# Altium PCB PCB_Organo_Prueba_V3.PcbDoc (part 2 of 2)
Units mil, origin at the board's own origin, x right, y up, seen from the top; angles counter-clockwise.
Board outline 5014.03 x 3533.9 mil, 2 copper layers (Top Layer, Bottom Layer); 91 components, 109 nets, 411 pads, 125 vias.
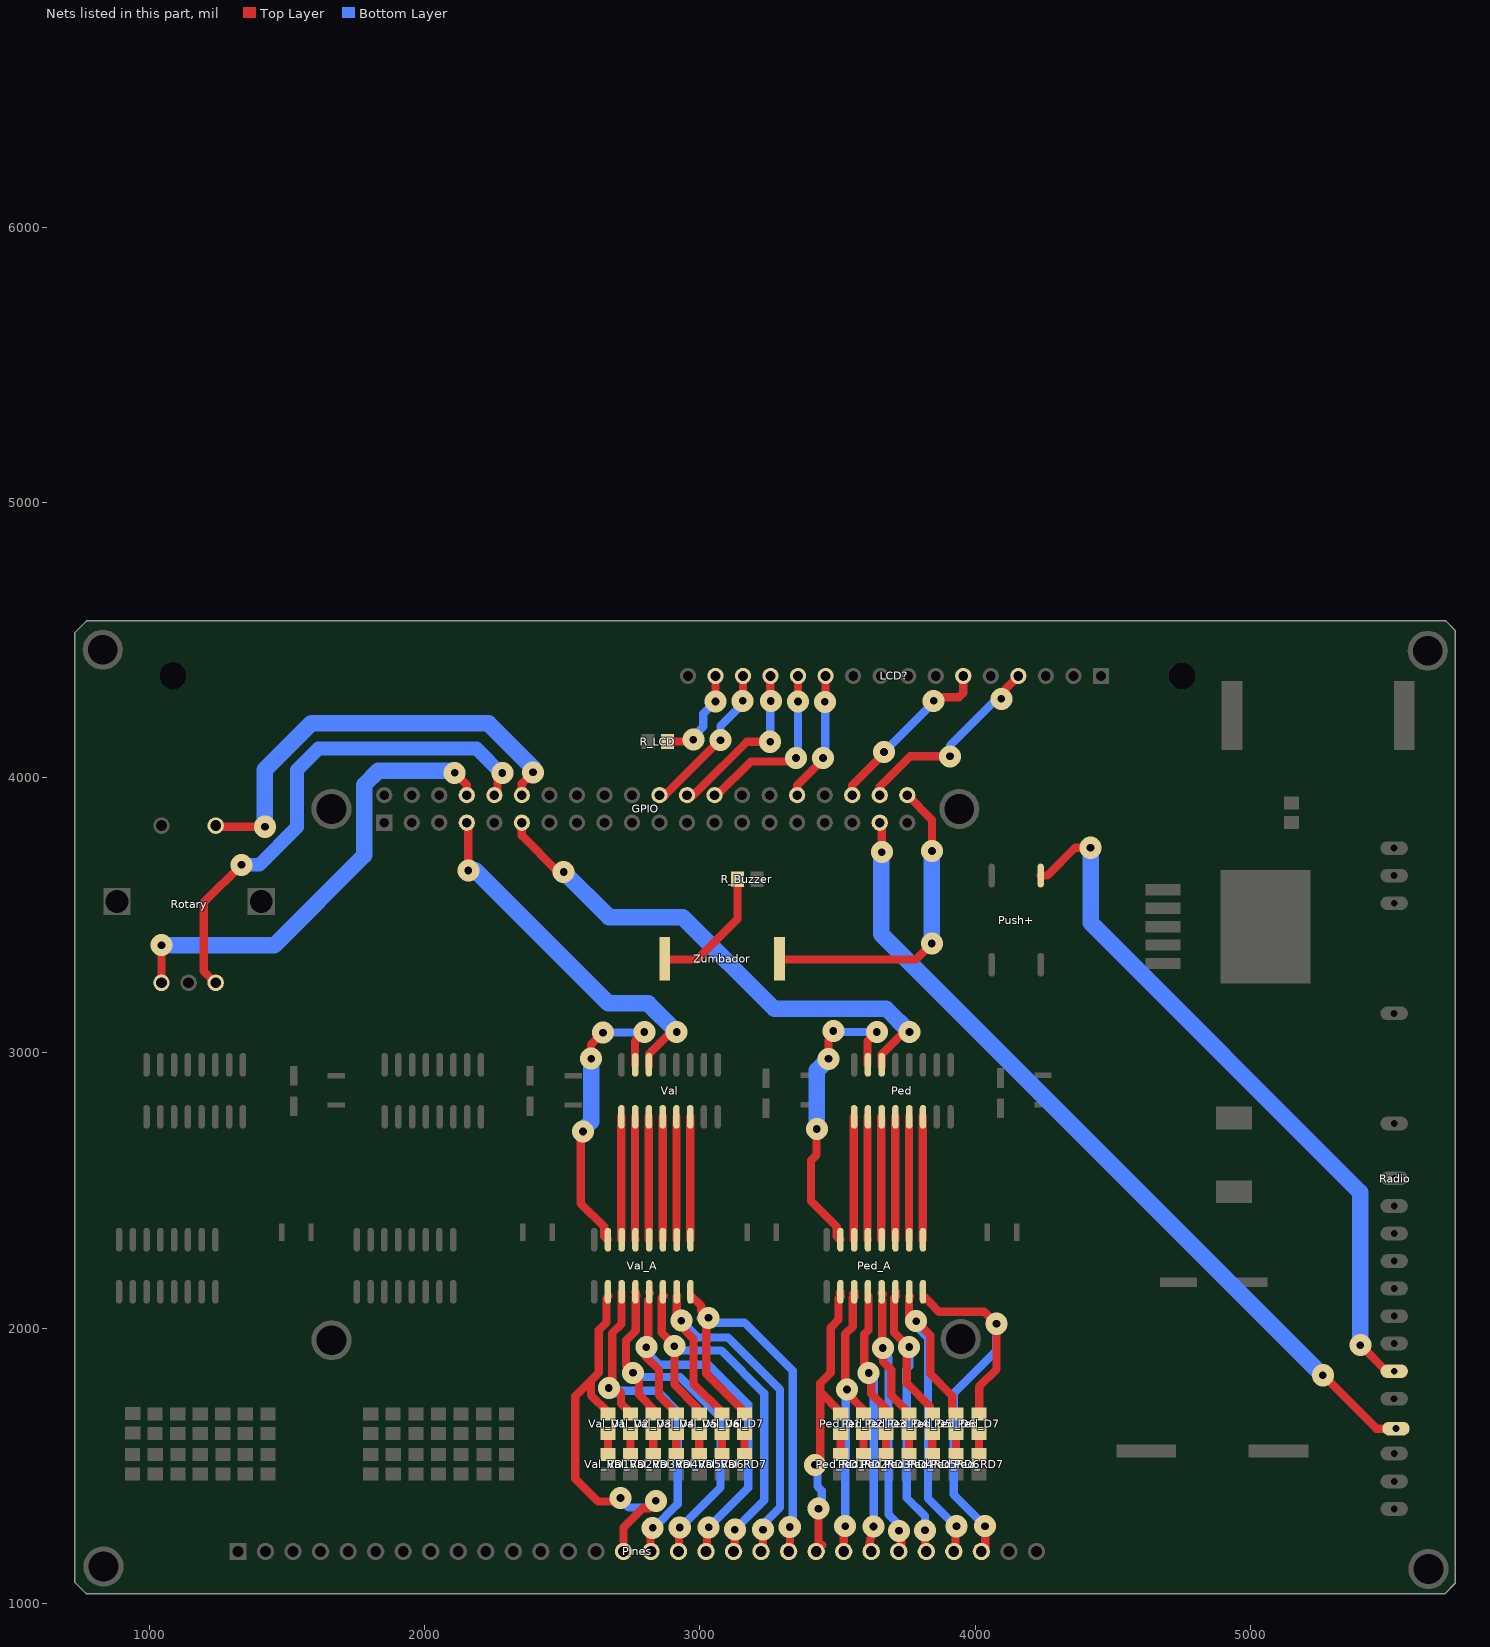
[diagram p2: the nets of this part, all layers, seen from the top]

## Via types
v1: diameter 80, hole 28, Top Layer to Bottom Layer, 125 vias

## Nets (pads, with @x,y where several pads share a name; then routed paths per layer and width w, separated by ;. In a path a pad name is that pad's centre, name@x,y a point inside that pad or via, vN(x,y) a via of type N, cw(c..) or ccw(c..) an arc to the next point about the centre after c; other vN are vias at no path point) (continued)
NetGPIO_7: GPIO.7 Val.14 | length 1354.4
  Top Layer w30: GPIO.7@2153,3836.5 2158.5,3831 v1(2158.5,3663) ; Val.14@2815,2951.5 2815,2996.5 2894.5,3076 v1(2915.5,3076)
  Bottom Layer w60: v1(2158.5,3663) 2184.5,3663 2667.5,3180 2811.5,3180 v1(2915.5,3076)
NetGPIO_8: GPIO.8 Rotary.A | length 1713.3
  Top Layer w30: Rotary.A@1044,3255 v1(1044,3391.5) ; v1(2109,4017.5) 2153,3973.5 GPIO.8@2153,3936.5
  Bottom Layer w60: v1(1044,3391.5) 1454,3391.5 1780.5,3718 1780.5,3974 1832,4025.5 v1@2109,4025.5
NetGPIO_10: GPIO.10 Rotary.B | length 1885.4
  Top Layer w30: Rotary.B@1240.85,3255 1197.5,3298.35 1197.5,3546 v1(1335,3683.5) ; GPIO.10@2253,3936.5 2264.5,3948 2264.5,4026 2263,4027.5 v1@2263,4020
  Bottom Layer w50: v1(1335,3683.5) 1399,3683.5 1536,3820.5 1536,4027.5 1614,4105.5 2188,4105.5 v1@2279.25,4014.25
  other v1: 2282,4017
NetGPIO_11: GPIO.11 Ped.14 | length 1928.7
  Top Layer w30: GPIO.11@2353,3836.5 2353,3789.5 2485,3657.5 v1(2505,3657.5) ; Ped.14@3660.5,2951.5 3660.5,2996 3740.5,3076 v1(3761,3076)
  Bottom Layer w60: v1(2505,3657.5) 2669,3493.5 2936.5,3493.5 3269.5,3160.5 3676.5,3160.5 v1(3761,3076)
NetGPIO_12: GPIO.12 Rotary.E | length 1614
  Top Layer w30: Rotary.E@1240.85,3825.87 1244.97,3821.75 v1(1419.75,3821.75) ; GPIO.12@2353,3936.5 2353,3979 v1(2393.5,4019.5)
  Bottom Layer w60: v1(1419.75,3821.75) 1419.75,4029.25 1587.5,4197 2232,4197 2393.5,4035.5 v1(2393.5,4019.5)
NetGPIO_22: GPIO.22 LCD?.14 | length 571.5
  Top Layer w30: GPIO.22@2853,3936.5 2873.5,3936.5 3073,4136 v1(3074.5,4136) ; v1(3155,4279) 3156.3,4280.3 LCD?.14@3156.3,4369.69
  Bottom Layer w30: v1(3074.5,4136) 3074.5,4187 3154.5,4267 v1@3154.5,4279
NetGPIO_24: GPIO.24 LCD?.13 | length 609.6
  Top Layer w30: GPIO.24@2953,3936.5 2976,3936.5 2998.47,3958.97 2998.47,3959.09 3169.89,4130.5 v1(3255,4130.5) ; v1@3255.5,4291 3255.5,4368.89 LCD?.13@3256.3,4369.69
  Bottom Layer w30: v1(3255,4130.5) 3255.5,4131 v1@3255.5,4278.5
  other v1: 3257.5,4278.5
NetGPIO_26: GPIO.26 LCD?.12 | length 647
  Top Layer w30: GPIO.26@3053,3936.5 3062.5,3936.5 3184.5,4058.5 3335,4058.5 v1@3348.5,4072 ; v1@3356,4288.5 3356,4369.39 LCD?.12@3356.3,4369.69
  Bottom Layer w30: v1@3348.5,4067.5 v1(3348.5,4071.5) ; v1@3348.5,4070 3356,4077.5 v1(3356,4277)
NetGPIO_32: GPIO.32 LCD?.11 | length 480
  Top Layer w30: GPIO.32@3353,3936.5 3353,3972 3438.5,4057.5 3438.5,4070.5 3439.5,4071.5 v1(3447,4071.5) ; v1@3456.3,4275.5 LCD?.11@3456.3,4369.69
  Bottom Layer w30: v1(3447,4071.5) 3454.5,4079 3454.5,4274.5 v1(3453.5,4275.5)
NetGPIO_36: GPIO.36 LCD?.6 | length 645.5
  Top Layer w30: GPIO.36@3553,3936.5 3553,3972 v1@3676.5,4095.5 ; v1@3850.25,4277.75 3865,4292.5 3940.5,4292.5 3956.3,4308.3 LCD?.6@3956.3,4369.69
  Bottom Layer w30: v1(3668.5,4093) v1@3849,4273.5
  other v1: 3849,4279
NetGPIO_37: GPIO.37 Radio.22 | length 3020.9
  Top Layer w30: GPIO.37@3653,3836.5 3660.5,3829 v1(3660.5,3729.5) ; v1(5262.5,1829.5) 5456.5,1635.5 Radio.22@5528,1635.5
  Bottom Layer w60: v1@3659,3729.5 3659,3430.5 v1@5261.25,1828.25
NetGPIO_38: GPIO.38 LCD?.4 | length 736.8
  Top Layer w30: GPIO.38@3653,3936.5 3653,3968 3762.5,4077.5 v1(3908,4077.5) ; v1(4094.5,4286.5) 4094.5,4307.89 LCD?.4@4156.3,4369.69
  Bottom Layer w30: v1(3908,4077.5) 3908,4117 4077.5,4286.5 v1(4094.5,4286.5)
NetGPIO_40: GPIO.40 Zumbador.1 | length 1156.1
  Top Layer w30: Zumbador.1@3288,3340 3784,3340 v1(3842,3398) ; GPIO.40@3753,3936.5 3842.5,3847 v1(3842.5,3734)
  Bottom Layer w60: v1(3842,3398) v1@3842,3736.5
NetLCD?_15: LCD?.15 R_LCD.1 | length 380.3
  Top Layer w30: R_LCD.1@2881.43,4131 2969,4131 v1(2976,4138) ; v1@3056,4277 3056,4369.39 LCD?.15@3056.3,4369.69
  Bottom Layer w30: v1(2976,4138) 2963.5,4138 3012,4186.5 3012,4232.5 v1(3056.5,4277)
NetPed_1: Ped.1 Ped_A.6 | length 446.7
  Top Layer w20: Ped_A.6@3558.77,2321.83 Ped_A.6@3559,2321.6
  Top Layer w30: Ped_A.6@3558.77,2321.83 Ped.1@3558.77,2768.18
NetPed_2: Ped.2 Ped_A.5 | length 446.7
  Top Layer w30: Ped.2@3608.77,2768.18 3608.77,2321.83 Ped_A.5@3609,2321.6
NetPed_3: Ped.3 Ped_A.4 | length 446.7
  Top Layer w30: Ped.3@3658.77,2768.18 3658.77,2321.83 Ped_A.4@3659,2321.6
NetPed_4: Ped.4 Ped_A.3 | length 446.7
  Top Layer w30: Ped.4@3708.77,2768.18 3708.77,2321.83 Ped_A.3@3709,2321.6
NetPed_5: Ped.5 Ped_A.2 | length 446.7
  Top Layer w30: Ped.5@3758.77,2768.18 3758.77,2321.83 Ped_A.2@3759,2321.6
NetPed_6: Ped.6 Ped_A.1 | length 446.7
  Top Layer w30: Ped.6@3808.77,2768.18 3809,2767.95 Ped_A.1@3809,2321.6
NetPed_15: Ped.15 Ped_A.7 | length 1101.8
  Top Layer w30: v1@3423.5,2724 3423.5,2630 3403.5,2610 3403.5,2461.66 3496.81,2368.35 3496.81,2333.79 Ped_A.7@3509,2321.6 ; v1(3467,2979) 3467,3045.5 3484.5,3063 v1(3484.5,3080) ; Ped.15@3608.77,2957.15 3608.77,3042.77 3609.27,3042.77 v1(3642.5,3076)
  Bottom Layer w30: v1@3509,3076 v1(3642.5,3076)
  Bottom Layer w60: v1(3424.5,2724) 3424.5,2936.5 v1(3467,2979)
NetPed_A_10: Ped_A.10 Ped_D1.2 Pines.22 | length 1184.4
  Top Layer w30: v1(3418,1504) 3437,1523 3437,1801.5 ; Pines.22@3422,1189.5 3444.5,1212 3442,1214.5 ; 3430.5,1221.5 v1(3430.5,1345) ; 3475,1839.5 3437,1801.5 ; Ped_D1.2@3507.5,1692.69 Ped_D1.2@3511.01,1689.19 ; Ped_A.10@3507.5,2129.13 Ped_A.10@3510.5,2132.13 ; Ped_D1.2@3511.5,1696.5 3509,1696.5 3437,1768.5 3437,1801.5 ; Ped_A.10@3512,2116.63 3503.5,2108.13 3503.5,2031.5 3475,2003 3475,1840.5 3466.5,1832 3466.5,1831 3437,1801.5
  Bottom Layer w30: v1(3418,1504) 3427,1495 3427,1426 3442,1411 3442,1356.5 v1(3430.5,1345)
NetPed_A_11: Ped_A.11 Ped_D2.2 Pines.23 | length 1083.8
  Top Layer w30: Pines.23@3522,1189.5 3522,1269 3527.5,1274.5 v1(3527.5,1281.5) ; Ped_A.11@3556.5,2125.63 Ped_A.11@3559.5,2128.63 ; Ped_A.11@3559,2130.63 Ped_A.11@3560.5,2132.13 ; Ped_A.11@3562,2116.63 3555,2109.63 3555,2006 3527.5,1978.5 3527.5,1784 v1(3534,1777.5) 3534,1764.5 3593,1705.5 Ped_D2.2@3593,1681.5
  Bottom Layer w30: v1@3527.5,1273 3529,1718 3529,1772.5 v1(3534,1777.5)
NetPed_A_12: Ped_A.12 Ped_D3.2 Pines.24 | length 1132
  Top Layer w30: Ped_A.12@3612,2116.63 3612,1993.5 3596.5,1978 3596.5,1858.5 3612.5,1842.5 v1(3612.5,1837.5) 3622.5,1827.5 3622.5,1761.5 3684.53,1699.47 Ped_D3.2@3678,1692.93 ; Pines.24@3622,1189.5 3612,1199.5 3626.5,1269 3630,1272.5 v1(3630,1280)
  Bottom Layer w30: v1(3612.5,1837.5) 3631,1819 v1@3631,1280
NetPed_A_13: Ped_A.13 Ped_D4.2 Pines.25 | length 1217.4
  Top Layer w30: Ped_A.13@3659.5,2128.63 Ped_A.13@3664,2124.13 ; Ped_A.13@3662,2101.5 3662,1912 3665.5,1878.49 3695.07,1848.92 3695.07,1755.93 3754,1697 Ped_D4.2@3754,1690.5 ; Pines.25@3722,1189.5 3731,1198.5 v1@3731,1264.5
  Bottom Layer w30: v1@3657.25,1921.75 3684.5,1894.5 3684.5,1324.5 3723,1286 v1(3723,1264.5)
  other v1: 3664,1928.5
NetPed_A_14: Ped_A.14 Ped_D5.2 Pines.26 | length 1253.7
  Top Layer w30: Ped_A.14@3710.5,2132.13 Ped_A.14@3711,2131.63 ; Ped_A.14@3712,2116.63 3705,2109.63 3705,1984.5 3755,1934.5 v1@3755.5,1934.5 ; v1@3751,1934.5 3751,1800.5 3835,1716.5 Ped_D5.2@3835,1693.5 ; v1(3817.5,1266) 3817.5,1194 Pines.26@3822,1189.5
  Bottom Layer w30: v1(3760,1932) 3760,1862.5 3751,1853.5 3751,1384 3817,1318 v1@3817,1270.5
NetPed_A_15: Ped_A.15 Ped_D6.2 Pines.27 | length 1397
  Top Layer w30: Ped_A.15@3762,2116.63 3759.5,2114.13 3759.5,2032.5 3767.5,2024.5 v1@3767.5,2014.42 ; v1(3785,2026) 3836.5,1974.5 3836.5,1834.5 3916,1755 Ped_D6.2@3916,1691.5 ; Pines.27@3922,1189.5 3928,1195.5 3928,1277.5 v1(3931.5,1281)
  Bottom Layer w30: v1(3785,2026) 3785,2008.5 3828.5,1965 3828.5,1382 v1@3930.5,1280
NetPed_A_16: Ped_A.16 Ped_D7.2 Pines.28 | length 1579.2
  Top Layer w30: Ped_A.16@3812,2116.63 3833.5,2095.13 3833.5,2095 3868.5,2060 4033.5,2060 v1(4077,2016.5) 4077,1851 4014,1788 4014,1708 Ped_D7.2@4002.25,1696.25 ; Pines.28@4022,1189.5 4036,1203.5 v1@4036,1273
  Bottom Layer w30: v1@4035.25,1282.25 3921.5,1396 3921.5,1763 4075.5,1917 v1@4075.5,2003.5
  other v1: 4035.5,1281.5
NetPed_D1_1: Ped_D1.1 Ped_RD1.1 | length 75.1
  Top Layer w30: Ped_RD1.1@3511.5,1542.44 Ped_D1.1@3511.5,1617.56
NetPed_D2_1: Ped_D2.1 Ped_RD2.1 | length 75.1
  Top Layer w30: Ped_RD2.1@3593.5,1542.44 Ped_D2.1@3593.5,1617.56
NetPed_D3_1: Ped_D3.1 Ped_RD3.1 | length 75.1
  Top Layer w30: Ped_RD3.1@3676,1542.44 Ped_D3.1@3676,1617.56
NetPed_D4_1: Ped_D4.1 Ped_RD4.1 | length 75.3
  Top Layer w30: Ped_D4.1@3759,1617.57 3759,1542.94 Ped_RD4.1@3759.5,1542.44
NetPed_D5_1: Ped_D5.1 Ped_RD5.1 | length 75.5
  Top Layer w30: Ped_D5.1@3844,1617.56 3844,1543.44 Ped_RD5.1@3845,1542.44
NetPed_D6_1: Ped_D6.1 Ped_RD6.1 | length 75.1
  Top Layer w30: Ped_RD6.1@3929.5,1542.44 Ped_D6.1@3929.5,1617.56
NetPed_D7_1: Ped_D7.1 Ped_RD7.1 | length 75.1
  Top Layer w30: Ped_RD7.1@4013.5,1542.44 Ped_D7.1@4013.5,1617.56
NetPines_15: Pines.15 Val_A.10 Val_D1.2 | length 1465.3
  Top Layer w30: 2604,1810.42 2604,1756.58 2663.58,1697 Val_D1.2@2667.5,1697 ; Val_A.10@2668,2117.13 2660,2109.13 2660,2021.5 2632.5,1994 2632.5,1838.92 2546.5,1752.92 2546.5,1454 2630,1370.5 v1@2712,1370.5 ; Pines.15@2722,1189.5 2722,1276.86 2791.14,1346 2817,1346 v1@2842,1371
  Bottom Layer w30: v1@2713,1377 2741,1349 2807.5,1349 v1@2848,1389.5
  other v1: 2839.5,1373.5 2711,1383.5
NetPines_16: Pines.16 Val_A.11 Val_D2.2 | length 1358.2
  Top Layer w30: Val_A.11@2715,2131.63 2714.5,2132.13 2714.5,2015.5 2681,1982 2681,1795.5 v1(2669,1783.5) 2695.5,1783.5 2713.5,1765.5 2713.5,1727 2749,1691.5 Val_D2.2@2749,1682 ; v1@2820,1272.5 2820,1191.5 Pines.16@2822,1189.5
  Bottom Layer w30: v1(2669,1783.5) 2675,1783.5 2694,1764.5 2704,1764.5 2713,1773.5 2843,1773.5 2919,1697.5 2919,1361 2833.5,1275.5 v1(2828,1275.5)
NetPines_17: Pines.17 Val_A.12 Val_D3.2 | length 1432.6
  Top Layer w30: Val_A.12@2764.5,2132.13 Val_A.12@2767,2129.63 ; Val_A.12@2768,2117.13 2766.5,2115.63 2766.5,1991 2731.5,1956 2731.5,1864 2778.5,1817 2778.5,1759 2839.03,1698.47 Val_D3.2@2834,1693.43 ; Pines.17@2922,1189.5 2924,1191.5 2924,1274 v1(2926.5,1276.5)
  Bottom Layer w30: v1@2761.25,1833.75 2771.5,1823.5 2927,1823.5 3074.5,1676 3074.5,1421.5 v1@2928,1275 ; v1@2766,1829 v1@2766,1843.5
  other v1: 2756.5,1838.5
NetPines_18: Pines.18 Val_A.13 Val_D4.2 | length 1519.6
  Top Layer w30: Val_A.13@2812.5,2102 2812.5,1926 2802.5,1916 2802.5,1897.99 2851.07,1849.42 2851.07,1756.43 2910,1697.5 Val_D4.2@2910,1691 ; Val_A.13@2814.5,2132.13 Val_A.13@2818,2128.63 ; Val_D4.2@2906.5,1696.93 Val_D4.2@2915.5,1687.93 ; Pines.18@3022,1189.5 3025.5,1193 3025.5,1271 v1(3031.5,1277)
  Bottom Layer w30: v1@2816,1914.5 2816,1902.5 2850.5,1868 3030,1868 3175,1723 3175,1420.5 v1(3031.5,1277)
  other v1: 2805,1931.5
NetPines_19: Pines.19 Val_A.14 Val_D5.2 | length 1488.5
  Top Layer w30: Val_A.14@2868,2117.13 2861,2110.13 2861,1985 2911,1935 v1@2911.5,1935 ; v1(2907,1935) 2907,1795 2991,1711 Val_D5.2@2991,1694 ; Pines.19@3126.5,1194 v1(3126.5,1268.5)
  Bottom Layer w30: v1@2911.5,1935 2927,1919.5 3077.5,1919.5 3233,1764 3233,1375 v1(3126.5,1268.5)
NetPines_20: Pines.20 Val_A.15 Val_D6.2 | length 1584.2
  Top Layer w30: Val_A.15@2918,2117.13 2915.5,2114.63 2915.5,2033 2923.5,2025 2923.5,2014.92 2976.5,1961.92 2976.5,1798.5 3072,1703 Val_D6.2@3072,1692 ; Pines.20@3222,1189.5 3228.5,1196 v1(3228.5,1268.5)
  Bottom Layer w30: v1@2918,2027 2932.5,2027 2992.5,1967 3102,1967 3291,1778 3291,1349.5 3228.5,1287 v1(3228.5,1268.5)
  other v1: 2932,2027.5
NetPines_21: Pines.21 Val_A.16 Val_D7.2 | length 1572.7
  Top Layer w30: Val_A.16@2968,2117.13 3005,2080.13 3005,2064 v1(3031,2038) ; v1@3022.5,2038 3022.5,1836 3153,1705.5 Val_D7.2@3153,1691.5 ; Pines.21@3322,1189.5 3327,1194.5 v1@3327,1270
  Bottom Layer w30: v1@3003,2035.5 3031,2035.5 3046,2020.5 3162,2020.5 3336.5,1846 3336.5,1288.5 v1(3326,1278)
NetPush+_1: Push+.1 Radio.20 | length 2597.9
  Top Layer w30: Push+.1@4237.5,3644.5 4262,3644.5 4363,3745.5 v1(4418.5,3745.5) ; v1(5398.5,1938.5) 5493,1844 Radio.20@5521.5,1844
  Bottom Layer w60: v1(4418.5,3745.5) 4418.5,3473.5 5398.5,2493.5 v1(5398.5,1938.5)
NetR_Buzzer_2: R_Buzzer.2 Zumbador.2 | length 467.5
  Top Layer w30: Zumbador.2@2874,3340 2990,3340 3136.07,3486.07 R_Buzzer.2@3136.07,3631
NetVal_1: Val.1 Val_A.6 | length 446.7
  Top Layer w20: Val_A.6@2714.27,2321.83 Val_A.6@2714.5,2321.6
  Top Layer w30: Val_A.6@2714.27,2321.83 Val.1@2714.27,2768.18
NetVal_2: Val.2 Val_A.5 | length 446.7
  Top Layer w30: Val.2@2764.27,2768.18 2764.27,2321.83 Val_A.5@2764.5,2321.6
NetVal_3: Val.3 Val_A.4 | length 446.7
  Top Layer w30: Val.3@2814.27,2768.18 2814.27,2321.83 Val_A.4@2814.5,2321.6
NetVal_4: Val.4 Val_A.3 | length 446.7
  Top Layer w30: Val.4@2864.27,2768.18 2864.27,2321.83 Val_A.3@2864.5,2321.6
NetVal_5: Val.5 Val_A.2 | length 446.7
  Top Layer w30: Val.5@2914.27,2768.18 2914.27,2321.83 Val_A.2@2914.5,2321.6
NetVal_6: Val.6 Val_A.1 | length 446.7
  Top Layer w30: Val.6@2964.27,2768.18 2964.5,2767.95 Val_A.1@2964.5,2321.6
NetVal_15: Val.15 Val_A.7 | length 1110.4
  Top Layer w30: v1@2569,2714.5 2566.5,2712 2566.5,2454.16 2652.31,2368.35 2652.31,2333.79 Val_A.7@2664.5,2321.6 ; v1@2604,2980 2604,3030 v1(2648,3074) ; Val.15@2764.27,2957.15 2764.27,3042.77 2764.77,3042.77 v1(2798,3076)
  Bottom Layer w30: v1(2648,3074) 2796,3074 v1(2798,3076)
  Bottom Layer w60: v1@2569,2714.5 2604.5,2750 v1(2604.5,2979.5)
  other v1: 2575,2714.5
NetVal_D1_1: Val_D1.1 Val_RD1.1 | length 75.1
  Top Layer w30: Val_RD1.1@2665.5,1542.44 Val_D1.1@2665.5,1617.56
NetVal_D2_1: Val_D2.1 Val_RD2.1 | length 75.1
  Top Layer w30: Val_RD2.1@2748,1542.44 Val_D2.1@2748,1617.57
NetVal_D3_1: Val_D3.1 Val_RD3.1 | length 75.1
  Top Layer w30: Val_RD3.1@2830.5,1542.44 Val_D3.1@2830.5,1617.57
NetVal_D4_1: Val_D4.1 Val_RD4.1 | length 75.1
  Top Layer w30: Val_RD4.1@2914,1542.44 Val_D4.1@2914,1617.57
NetVal_D5_1: Val_D5.1 Val_RD5.1 | length 75.1
  Top Layer w30: Val_RD5.1@2997.5,1542.44 Val_D5.1@2997.5,1617.57
NetVal_D6_1: Val_D6.1 Val_RD6.1 | length 75.1
  Top Layer w30: Val_RD6.1@3079.5,1542.44 Val_D6.1@3079.5,1617.57
NetVal_D7_1: Val_D7.1 Val_RD7.1 | length 75.3
  Top Layer w30: Val_RD7.1@3161.5,1542.44 3162,1542.94 Val_D7.1@3162,1617.56
pads on no net: 1T.7 1T.9 2T.7 2T.9 GPIO.1 GPIO.16 GPIO.17 GPIO.18 GPIO.19 GPIO.21 GPIO.23 GPIO.27 GPIO.28 GPIO.29 GPIO.31 GPIO.33 GPIO.35 LCD?.3 LCD?.7 LCD?.8 LCD?.9 LCD?.10 Ped.7 Ped.9 Push+.2 Push+.4 Radio.3 Radio.11 Radio.13 Radio.14 Radio.17 Radio.23 Radio.24 Radio.25 Rotary. Val.7 Val.9
copper on no net:
  other v1: 1390,3062.5 3097.5,3062.5 2233,3064

## Polygon pours and split planes (outlines as drawn)
GND on Top Layer "GND" (solid, remove dead copper, pour order 11): 773.89,4564.24 5706.3,4564.24 5706.63,4564.56 5739.88,4531.31 5741.65,4531.31 5741.65,1068.4 5742.28,1067.77 5705.14,1030.63 772.46,1030.63 771.83,1030.01 731.24,1070.59 729.47,1070.59 729.47,4519.77 728.85,4520.4
12V on Top Layer "12V" (solid, remove dead copper, pour order 19): 774.27,4570.28 5707,4570.28 5707,4564.86 5741.65,4530.21 5742.28,4529.58 5742.28,1067.77 5705.14,1030.63 771.2,1030.63 769.43,1030.63 729.47,1070.59 728.59,1071.47 728.59,4524.6
5V on Top Layer "5V" (solid, remove dead copper, pour order 21): 772.76,4569.65 5709.4,4569.65 5710.03,4569.02 5741.65,4537.4 5741.65,4530.21 5741.65,1068.4 5742.28,1067.77 5705.14,1030.63 771.2,1030.63 731.24,1070.59 729.47,1070.59 729.47,4525.86 729.22,4526.12
GND on Bottom Layer "GND_bottom" (solid, remove dead copper, pour order 17): 772.76,4569.65 773.38,4570.28 5707,4570.28 5707.89,4570.28 5742.65,4535.51 5742.02,4534.89 5742.02,1071.97 5742.02,1067.52 5704.5,1030 5704,1030.5 771,1030.5 770,1030.5 730.5,1070 728.59,1071.91 728.59,4524.6

## Other copper
Top Layer:
  rectangle net 12V: 3473.94,1428.5 4237,1506
  rectangle net 12V: 3222,1500 3323,1775.5
  rectangle net 12V: 2625.5,1439.5 3323.5,1506.5
  rectangle net 12V: 3167,1773.5 3272,2097
  rectangle net 12V: 3247.5,1446 3324,2197
  rectangle net 12V: 2365.5,1446 2442,2197
  rectangle net 12V: 2285,1773.5 2390,2097
  rectangle net 12V: 1743.5,1442 2441.5,1506.5
  rectangle net 12V: 2340,1500 2441,1775.5
  rectangle net 12V: 1471,1494 1572,1769.5
  rectangle net 12V: 874.5,1419.5 1572.5,1508
  rectangle net 12V: 1416,1767.5 1521,2091
  rectangle net 12V: 1510,1440 1513.5,1500
  rectangle net 12V: 1496.5,1440 1573,2191
  rectangle net 12V: 4223,2230 4388,2412
  rectangle net 12V: 3867,2162 4152,2281
  rectangle net 12V: 3016,2162 3301,2275
  rectangle net 12V: 2155.5,2162 2440.5,2269.5
  rectangle net 12V: 1293.5,2179.5 1578.5,2289.5
  rectangle net 12V: 825,2214.5 4137.5,2240
  rectangle net 12V: 785.5,2186.5 825,2240
  rectangle net 5V: 3907.5,3182 3983,3704.5
  rectangle net 5V: 3907.5,3453 3983,3496
  rectangle net Net1T_1: 970.5,2720.5 1008,2818
  rectangle net Net1T_2: 1020.5,2720.5 1058,2818
  rectangle net Net1T_3: 1070.5,2720.5 1108,2818
  rectangle net Net1T_4: 1121,2720.5 1158.5,2818
  rectangle net Net1T_5: 1171,2720 1208.5,2818
  rectangle net Net1T_6: 1221,2720 1258.5,2818
  rectangle net Net1T_15: 1021.5,2906 1059,3003.5
  rectangle net Net1T_15: 921,2271 958.5,2368.5
  rectangle net Net1T_1: 971,2271 1008.5,2368.5
  rectangle net Net1T_2: 1021,2271 1058.5,2368.5
  rectangle net Net1T_3: 1071,2271 1108.5,2368.5
  rectangle net Net1T_4: 1120.5,2271 1158,2368.5
  rectangle net Net1T_5: 1171,2271 1208.5,2368.5
  rectangle net Net1T_6: 1222,2271.5 1259.5,2369
  rectangle net Net2T_6: 2086,2272.5 2123.5,2370
  rectangle net Net2T_5: 2035,2272 2072.5,2369.5
  rectangle net Net2T_4: 1984.5,2272 2022,2369.5
  rectangle net Net2T_3: 1935,2272 1972.5,2369.5
  rectangle net Net2T_2: 1885,2272 1922.5,2369.5
  rectangle net Net2T_1: 1835,2272 1872.5,2369.5
  rectangle net Net2T_15: 1785,2272 1822.5,2369.5
  rectangle net Net2T_15: 1885.5,2907 1923,3004.5
  rectangle net Net2T_6: 2085,2721 2122.5,2819
  rectangle net Net2T_5: 2035,2721 2072.5,2819
  rectangle net Net2T_4: 1985,2721.5 2022.5,2819
  rectangle net Net2T_3: 1934.5,2721.5 1972,2819
  rectangle net Net2T_2: 1884.5,2721.5 1922,2819
  rectangle net Net2T_1: 1834.5,2721.5 1872,2819
  rectangle net NetVal_6: 2946.5,2271.5 2984,2369
  rectangle net NetVal_5: 2895.5,2271 2933,2368.5
  rectangle net NetVal_4: 2845,2271 2882.5,2368.5
  rectangle net NetVal_3: 2795.5,2271 2833,2368.5
  rectangle net NetVal_2: 2745.5,2271 2783,2368.5
  rectangle net NetVal_1: 2695.5,2271 2733,2368.5
  rectangle net NetVal_15: 2645.5,2271 2683,2368.5
  rectangle net NetVal_15: 2746,2906 2783.5,3003.5
  rectangle net NetVal_6: 2945.5,2720 2983,2818
  rectangle net NetVal_5: 2895.5,2720 2933,2813.5
  rectangle net NetVal_4: 2845.5,2720.5 2883,2814
  rectangle net NetVal_3: 2795,2720.5 2832.5,2818
  rectangle net NetVal_2: 2745,2720.5 2782.5,2818
  rectangle net NetVal_1: 2695,2720.5 2732.5,2818
  rectangle net NetPed_6: 3791,2271.5 3828.5,2369
  rectangle net NetPed_5: 3740,2271 3777.5,2368.5
  rectangle net NetPed_4: 3689.5,2271 3727,2368.5
  rectangle net NetPed_3: 3640,2271 3677.5,2368.5
  rectangle net NetPed_2: 3590,2271 3627.5,2368.5
  rectangle net NetPed_1: 3540,2271 3577.5,2368.5
  rectangle net NetPed_15: 3490,2271 3527.5,2368.5
  rectangle net NetPed_15: 3590.5,2906 3628,3003.5
  rectangle net NetPed_6: 3790,2720 3827.5,2818
  rectangle net NetPed_5: 3740,2720 3777.5,2818
  rectangle net NetPed_4: 3690,2720.5 3727.5,2818
  rectangle net NetPed_3: 3639.5,2720.5 3677,2818
  rectangle net NetPed_2: 3589.5,2720.5 3627,2818
  rectangle net NetPed_1: 3539.5,2720.5 3577,2818
  rectangle net Net1T_A_16: 1222,2085.5 1259.5,2183
  rectangle net Net1T_A_15: 1171,2085 1208.5,2182.5
  rectangle net Net1T_A_14: 1120.5,2085 1158,2182.5
  rectangle net Net1T_A_13: 1071,2085 1108.5,2182.5
  rectangle net Net1T_A_12: 1021,2085 1058.5,2182.5
  rectangle net Net1T_A_11: 971,2085 1008.5,2182.5
  rectangle net Net1T_A_10: 921,2085 958.5,2182.5
  rectangle net Net2T_A_10: 1785,2084.5 1822.5,2182
  rectangle net Net2T_A_11: 1835,2084.5 1872.5,2182
  rectangle net Net2T_A_12: 1885,2084.5 1922.5,2182
  rectangle net Net2T_A_13: 1935,2084.5 1972.5,2182
  rectangle net Net2T_A_14: 1984.5,2084.5 2022,2182
  rectangle net Net2T_A_15: 2035,2084.5 2072.5,2182
  rectangle net Net2T_A_16: 2086,2085 2123.5,2182.5
  rectangle net NetPines_15: 2645.5,2084.5 2683,2182
  rectangle net NetPines_16: 2695.5,2084.5 2733,2182
  rectangle net NetPines_17: 2745.5,2084.5 2783,2182
  rectangle net NetPines_18: 2795.5,2084.5 2833,2182
  rectangle net NetPines_19: 2845,2084.5 2882.5,2182
  rectangle net NetPines_20: 2896.5,2084.5 2934,2182
  rectangle net NetPines_21: 2946.5,2085 2984,2182.5
  rectangle net NetPed_A_10: 3491.5,2084.5 3529,2182
  rectangle net NetPed_A_11: 3541.5,2084.5 3579,2182
  rectangle net NetPed_A_12: 3591.5,2084.5 3629,2182
  rectangle net NetPed_A_13: 3641.5,2084.5 3679,2182
  rectangle net NetPed_A_14: 3691.5,2084.5 3729,2182
  rectangle net NetPed_A_15: 3742.5,2084.5 3780,2182
  rectangle net NetPed_A_16: 3792.5,2085 3830,2182.5
  rectangle net 5V: 970.5,2905 1008,3002.5
  rectangle net 5V: 1270,2906.5 1307.5,3004
  rectangle net 5V: 2136,2903 2173.5,3000.5
  rectangle net 5V: 1836.5,2901.5 1874,2999
  rectangle net 5V: 2996.5,2905 3034,3002.5
  rectangle net 5V: 2697,2903.5 2734.5,3001
  rectangle net 5V: 3841.5,2903 3879,3000.5
  rectangle net 5V: 3542,2901.5 3579.5,2999
  rectangle net 5V: 754.5,3140 4272,3186
  rectangle net 5V: 3158.5,2864 3411,3129.5
  rectangle net 5V: 2298.5,2875 2544.5,3140.5
  rectangle net 12V: 4110,2114.5 4223,2412
  rectangle net 12V: 1638.5,2068 1773.5,2224.5
  rectangle net 12V: 758.5,2056.5 908,2240
  rectangle net 12V: 2454,2069.5 2635,2221
  rectangle net 12V: 3282.5,2066 3478.5,2222.5
  rectangle net 12V: 3240.67,2066.17 3328.5,2715.5
  rectangle net 12V: 2420,2069.5 2507.5,2719
  rectangle net 12V: 1556,2068 1638.5,2717.5
  rectangle net 12V: 4369,2114.5 4490,2866
  rectangle net 12V: 4490,2114.5 4816.5,2422
  rectangle net Net1T_14: 1070,2905.5 1107.5,3003
  rectangle net Net2T_14: 1937,2906 1974.5,3003.5
  rectangle net NetGPIO_7: 2796,2904 2833.5,3001.5
  rectangle net NetGPIO_11: 3641.5,2904 3679,3001.5
  rectangle net 12V: 4369,3561 4750,3653
  rectangle net 12V: 4369,2845 4490,3561
  rectangle net 5V: 1210.5,4078.5 2760.5,4462
  rectangle net 5V: 1809.5,3886 2004,4080
  rectangle net 5V: 2698,4054 2844.5,4237
  rectangle net 5V: 930,4014.5 1556.5,4192.5
  rectangle net 5V: 930,3650.5 1131,4023
  rectangle net 5V: 4873,3881 5289.5,4409.5
  rectangle net 5V: 4290,4103.5 5024,4250.5
  rectangle net 5V: 2841.5,4188 4357.5,4225
  rectangle net 5V: 3177.5,3453.5 3909.5,3674
  rectangle net 5V: 4043.5,3842 4354.5,4220
  rectangle net 5V: 5371.5,3699.5 5700.5,3801.5
  rectangle net 5V: 5630.5,1259 5700.5,3699.5
  rectangle net 5V: 5433.5,2286 5692,2390
  rectangle net 5V: 4966.5,1339.5 5258,1775
  rectangle net 5V: 5294,3150.5 5406.5,3801
  rectangle net 5V: 4559,2993.5 5406.5,3150.5
  rectangle net 5V: 4558.5,3362.5 4750.5,3417.5
  rectangle net 5V: 4558.5,3123 4603.5,3362.5
  rectangle net 12V: 4186,1107.5 4402.5,2149.5
  rectangle net NetD_Back_K: 5469.5,4078.5 5639.5,4368
  rectangle net 5V: 4314.5,4246.5 4400,4423
  rectangle net Net1T_A_10: 1282,1138.5 1364.5,1317
  rectangle net Net1T_A_11: 1376.5,1139.5 1459,1318
  rectangle net Net1T_A_12: 1478.5,1139.5 1561,1318
  rectangle net Net1T_A_13: 1576,1139.5 1658.5,1318
  rectangle net Net1T_A_14: 1675,1139.5 1757.5,1318
  rectangle net Net1T_A_15: 1777,1138.5 1859.5,1317
  rectangle net Net1T_A_16: 1875,1138.5 1957.5,1317
  rectangle net Net2T_A_10: 1980,1138.5 2062.5,1317
  rectangle net Net2T_A_11: 2081,1138.5 2163.5,1317
  rectangle net Net2T_A_12: 2181,1138.5 2263.5,1317
  rectangle net Net2T_A_13: 2279.5,1139 2362,1317.5
  rectangle net Net2T_A_14: 2379.5,1139 2462,1317.5
  rectangle net Net2T_A_15: 2479.5,1139.5 2562,1318
  rectangle net Net2T_A_16: 2581.5,1139.5 2664,1318
  rectangle net NetPines_15: 2683,1139 2765.5,1317.5
  rectangle net NetPines_16: 2788.5,1138.5 2867.5,1302.5
  rectangle net NetPines_17: 2883.5,1138 2966,1316.5
  rectangle net NetPines_18: 2986,1137 3068.5,1315.5
  rectangle net NetPines_19: 3084,1135.5 3166.5,1314
  rectangle net NetPines_20: 3186,1135 3268.5,1313.5
  rectangle net NetPines_21: 3281.5,1135 3364,1313.5
  rectangle net NetPed_A_10: 3382,1135.5 3464.5,1314
  rectangle net NetPed_A_11: 3481.5,1135.5 3564,1314
  rectangle net NetPed_A_12: 3578,1136 3660.5,1314.5
  rectangle net NetPed_A_13: 3680,1136 3762.5,1314.5
  rectangle net NetPed_A_14: 3779,1136 3861.5,1314.5
  rectangle net NetPed_A_15: 3881,1136 3963.5,1314.5
  rectangle net NetPed_A_16: 3981.5,1136.5 4064,1315
  rectangle net 5V: 4348.5,3843 4573.5,3928.5
  rectangle net 5V: 4524,3928.5 4573.5,4114
  rectangle net 5V: 4573.5,3843 4963,4145.5
  rectangle net 5V: 1445,2964.5 1513.5,3116
  rectangle net 5V: 1671.5,2946.5 1672.5,3118
  rectangle net 5V: 1445,2879 1686.5,3134
  rectangle net 12V: 1766.44,1437.95 1936.5,1445.5
  rectangle net 12V: 2627.94,1437.95 2710,1444.5

## Silkscreen, mask and mechanical layers (free items; w line width, h text height)
Top Overlay:
  lines w0.5: 1794.31,3748.18 1794.31,3945.03 3794.31,3945.03 3794.31,3748.18 1794.31,3748.18 ; 1794.31,3749.18 1794.31,3946.03 3794.31,3946.03 3794.31,3749.18 1794.31,3749.18
Bottom Overlay:
  text "GND" at 4757,1121.5 h60
Bottom Paste:
  lines w7.87: 948,1040 1045,1040 4807,1040 5477,1040 ; 961.02,1040 772.2,1040 732.87,1079.33 732.87,1214.33 732.87,4524.6 774.27,4566 939,4566 975,4566 5491,4566 5707,4566 5739,4534 5739,4463 5739,1129 5739,1075 5704,1040 5650,1040 5470,1040
Mechanical 5:
  text "5V" at 4385.5,3985.5 h60
  text "Rotary" at 1168,3929.5 h29
  text "Modulo" at 5418,3888.5 h29
  text "de Radio" at 5479,3842 h29
  text "Pulsador" at 4088,3747.5 h29
  text "Regulador 5V" at 4737,3723.5 h29
  text "Buzzer" at 2904.5,3626.5 h29
  text "->" at 4071.5,2677 h29 r90
  text "Shift Reg." at 4047,2631 h29
  text "Darglint." at 4047,2516.5 h29
  text "->" at 4047,2488 h29 r270
  text "12V" at 4254,2179 h29
  text "1 Tecl." at 1304,2115.5 h29
  text "2 Tecl." at 2170,2115.51 h29
  text "Val." at 3049.5,2115.51 h29
  text "Ped." at 3900.5,2115.51 h29
  text "GND" at 4847,1104 h60

## Text inside footprints (layer, text, board x,y; h text height)
GPIO: Top Overlay "39" at 3759,3709.5 h50; Top Overlay "40" at 3748,4008.5 h50; Top Overlay "2" at 1800,4014.5 h50; Top Overlay "1" at 1800,3717.5 h50